# Altium PCB GO_CART_CONTROLLER-DESKTOP-L9L0IAD.PcbDoc
Units mm, origin at the board's own origin, x right, y up, seen from the top; angles counter-clockwise.
Board outline 64 x 53.7 mm, 2 copper layers (Top Layer, Bottom Layer), stack 1.569 mm thick; 93 components, 61 nets, 217 pads, 25 vias.
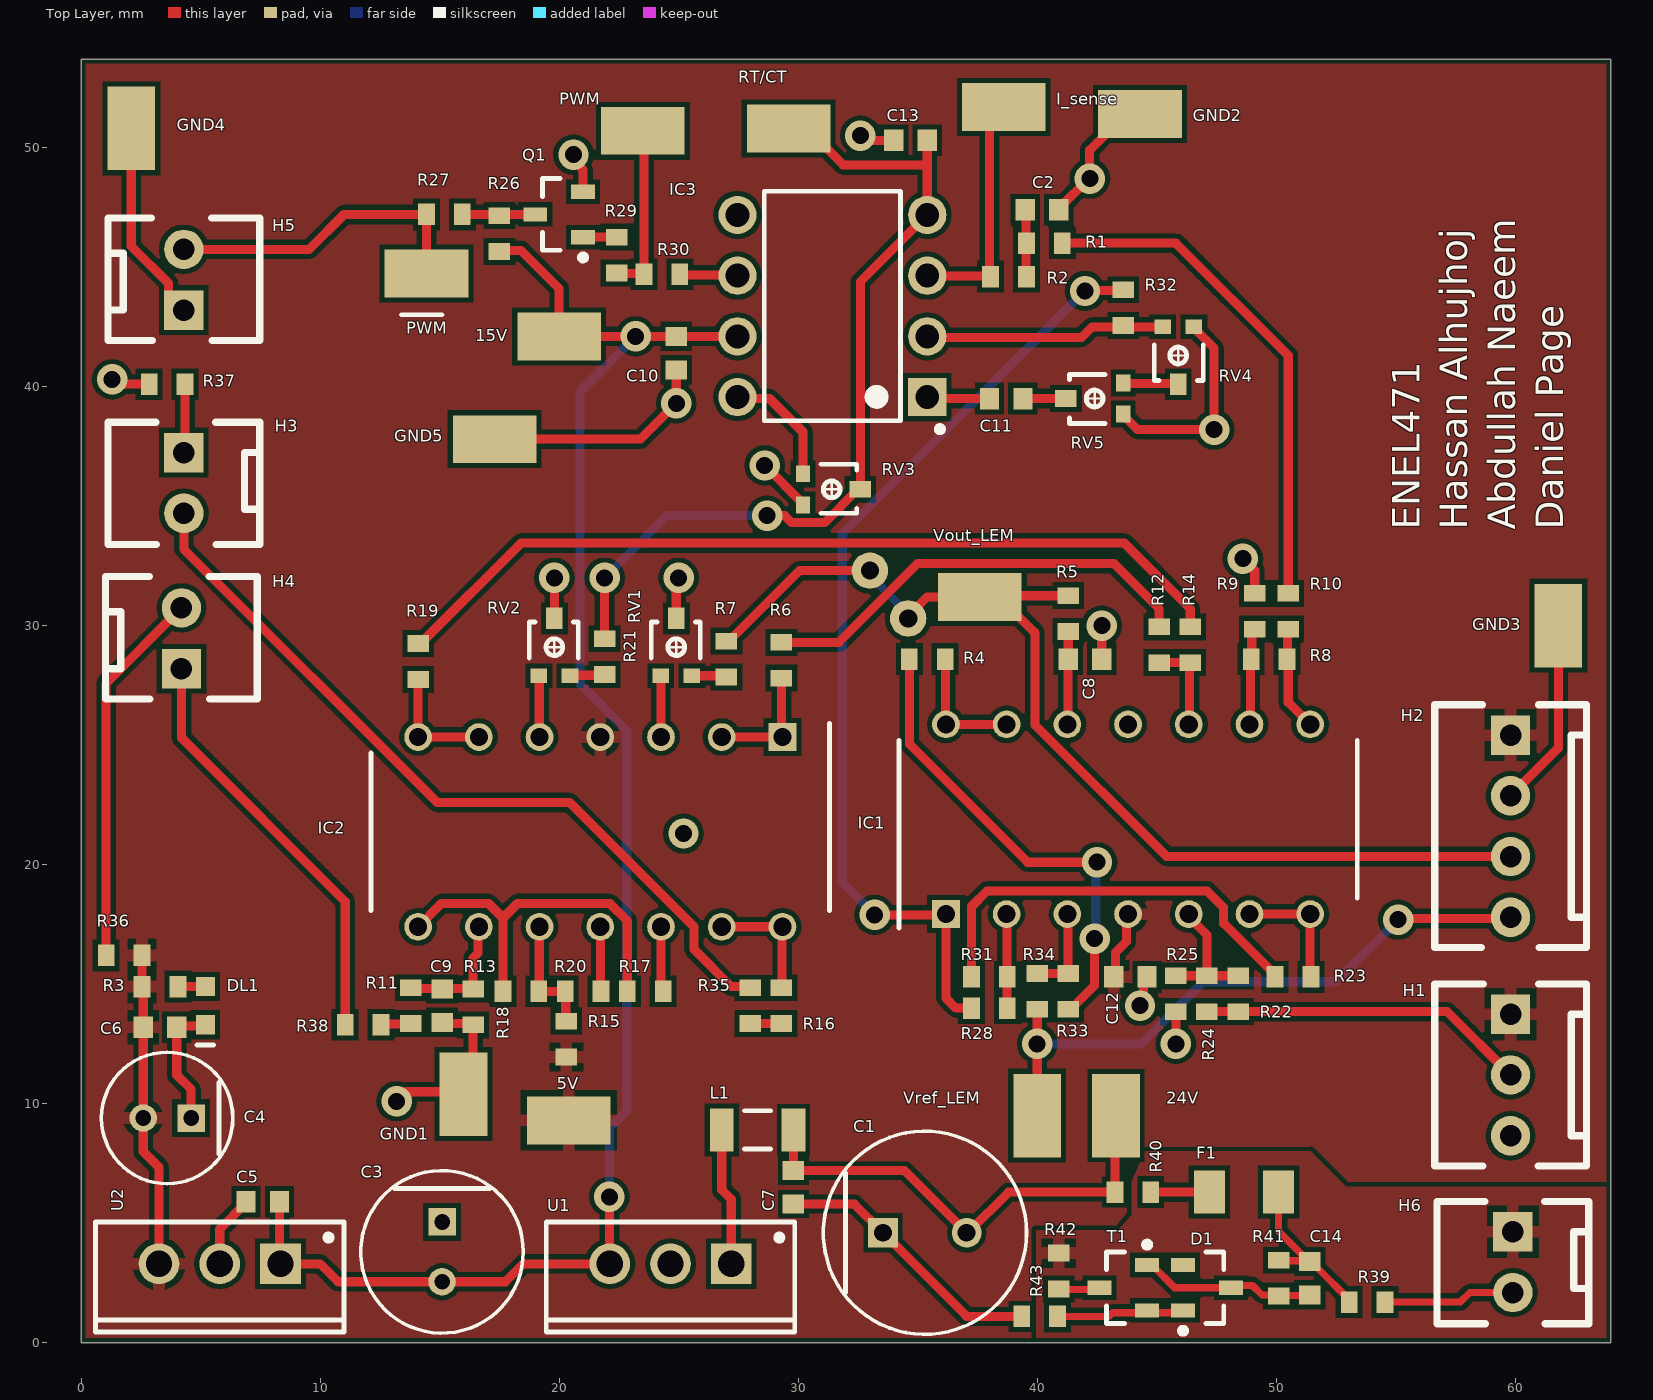
[diagram p0: Top Layer view]
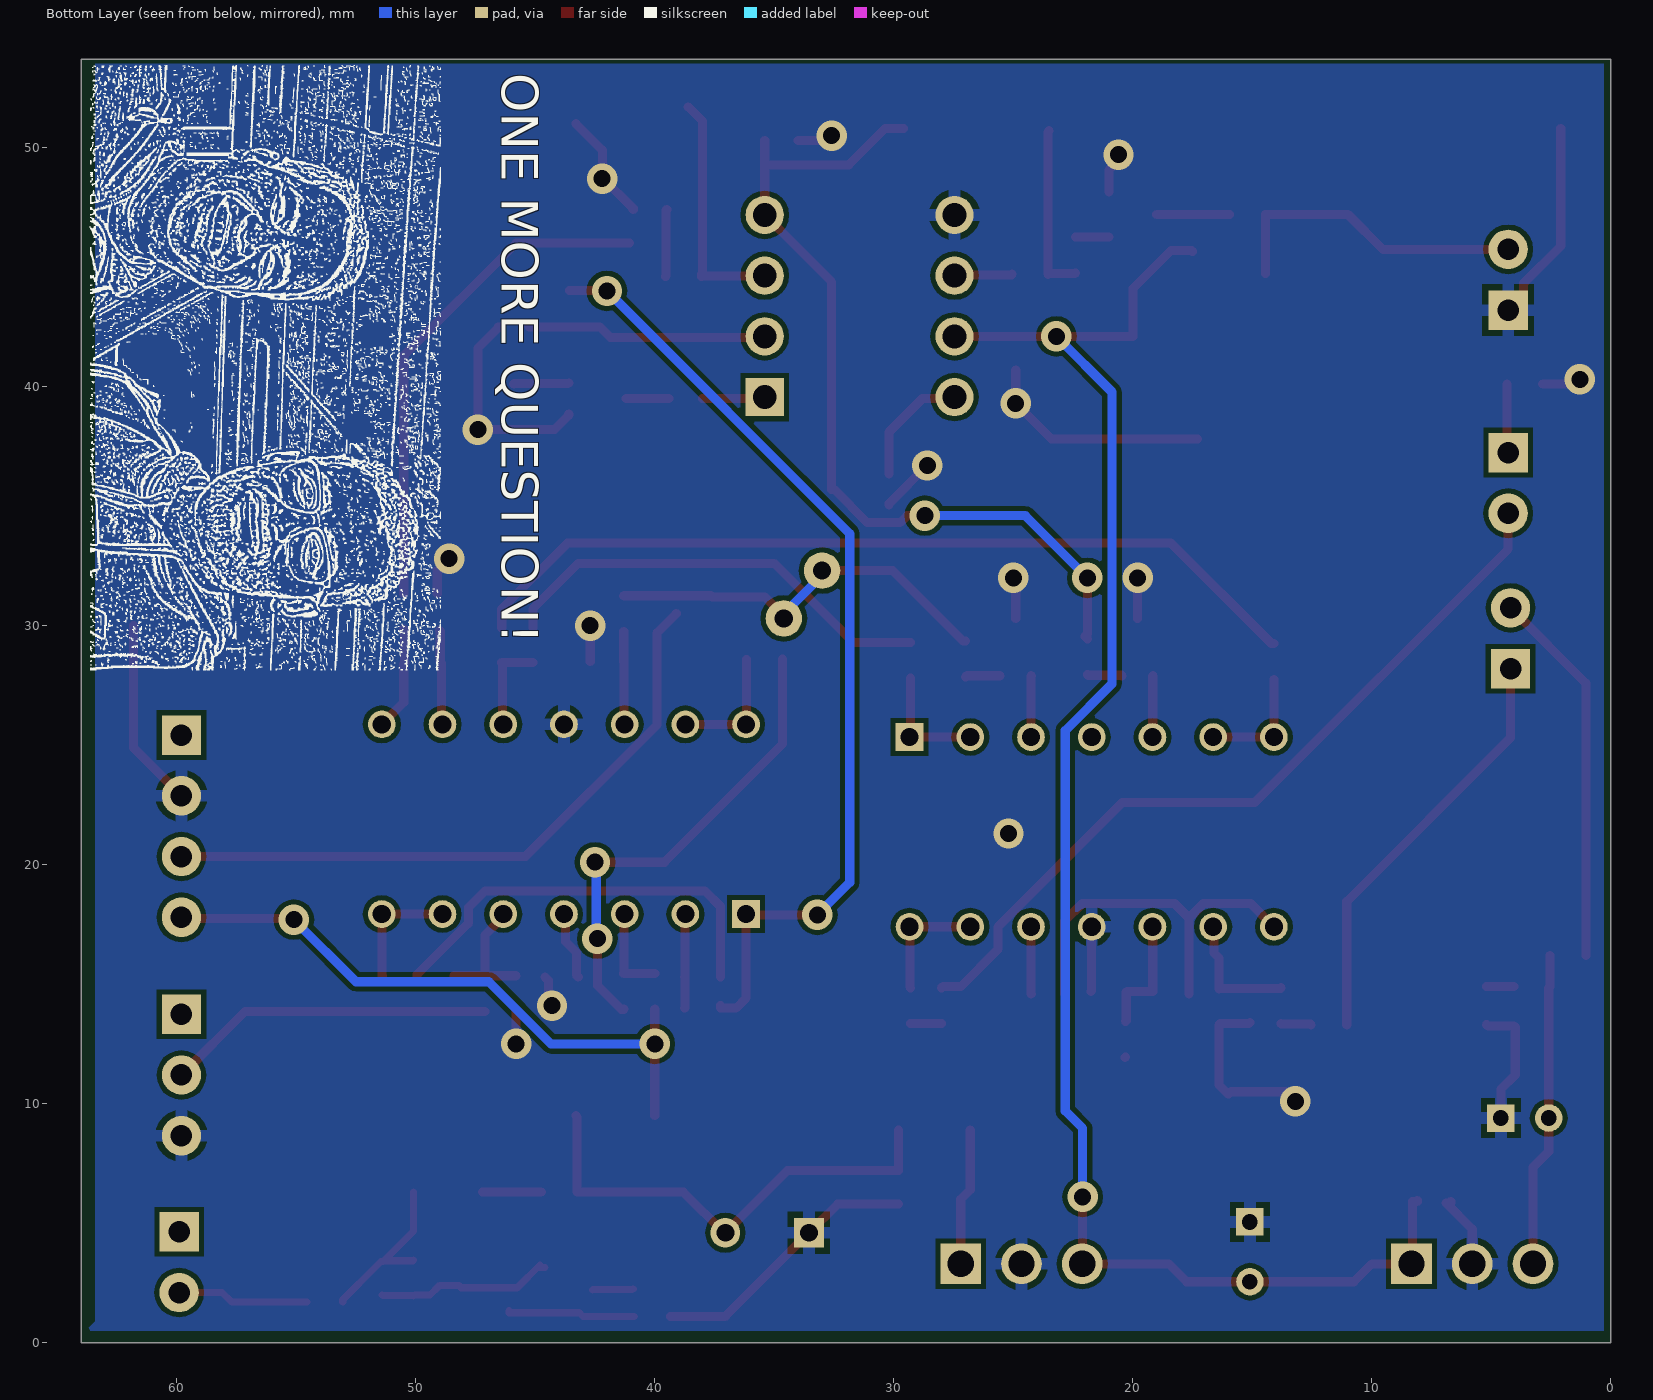
[diagram p1: Bottom Layer view, seen from below]

## Layer stack, top to bottom
Top Solder: solder mask 0.0254, SM-001, Dk 4
Top Layer: signal copper 0.035
Dielectric 1: core 1.4986, Core-043, Dk 4.3
Bottom Layer: signal copper 0.035
Bottom Solder: solder mask 0.0254, SM-001, Dk 4

## Board outline
0,53.7 64,53.7 64,0 0,0

## Design rules (kind name [scope] priority, off if disabled: settings)
BoardOutlineClearance [All] p1: gap=0.2 ignorepadtopadclearanceinfootprint=FALSE except(0.4: Arc-SplitBarrior Arc-SplitContinuation Track-SplitBarrior Track-SplitContinuation SMDPad-SplitBarrior SMDPad-SplitContinuation THPad-SplitBarrior THPad-SplitContinuation Via-SplitBarrior Via-SplitContinuation Fill-SplitBarrior Fill-SplitContinuation Poly-SplitBarrior Poly-SplitContinuation Region-SplitBarrior Region-SplitContinuation Text-SplitBarrior Text-SplitContinuation)
Clearance "Clearance Bottom Layer" [OnLayer('Bottom Layer')] p1: gap=0.203 ignorepadtopadclearanceinfootprint=TRUE except(0.254: Arc-Text Track-Text SMDPad-Text THPad-Text Via-Text Fill-Text Poly-Text Region-Text Text-Text)
Clearance "Clearance Top Layer" [OnLayer('Top Layer')] p2: gap=0.203 ignorepadtopadclearanceinfootprint=TRUE except(0.254: Arc-Text Track-Text SMDPad-Text THPad-Text Via-Text Fill-Text Poly-Text Region-Text Text-Text)
Clearance [All] p3: gap=0.2 ignorepadtopadclearanceinfootprint=FALSE except(0.089: Arc-Arc Arc-Track Arc-SMDPad Track-Track Track-SMDPad SMDPad-SMDPad; 0.127: Arc-Via Track-Via SMDPad-Via THPad-Via Via-Via; 0.254: Arc-Text Track-Text SMDPad-Text THPad-Text Via-Text Fill-Text Poly-Text Region-Text Text-Text)
HoleSize [All] p1: absolutevalues=TRUE maxlimit=6.3 minlimit=0.2 maxpercent=80.000 minpercent=20.000
MinimumAnnularRing [All] p1: minimumring=0.076
MinimumSolderMaskSliver [All] p1: minsoldermaskwidth=0.1
PolygonConnect PolygonConnect_1 [All] p1: thpad.connectstyle=Relief thpad.reliefconductorwidth=0.508 thpad.reliefentries=4 thpad.polygonreliefangle="90 Angle" thpad.airgapwidth=0.254 smdpad.connectstyle=Relief smdpad.reliefconductorwidth=0.508 smdpad.reliefentries=4 smdpad.polygonreliefangle="90 Angle" smdpad.airgapwidth=0.254 via.connectstyle=Direct via.reliefconductorwidth=0.508 via.reliefentries=4 via.polygonreliefangle="90 Angle" via.airgapwidth=0.254
RoutingCorners [All] p1: cornerstyle=Round minsetback=2.54 maxsetback=2.54
RoutingVias [All] p1: holewidth=0.5 width=1 viastyle="Through Hole" minholewidth=0.2 minwidth=0.45 maxholewidth=1 maxwidth=2
SilkToSilkClearance [All] p1: silktosilkclearance=0.1
SilkToSolderMaskClearance [IsPad] p1: minsilkscreentomaskgap=0.1 clearancetoexposedcopper=TRUE
SolderMaskExpansion [All] p1: expansion=0.102
Width [All] p1: maxlimit=2.54 minlimit=0.089 preferedwidth=0.381
25 further rules are at their usual default settings.

## Classes and differential pairs
component class main: C1 C2 C3 C4 C5 C6 C7 C8 C9 C10 C11 C12 C13 DL1 IC1 IC2 IC3 L1 Q1 Q3 R1 R2 R3 R4 R5 R6 R7 R8 R9 R10 R11 R12 R13 R14 R15 R16 R17 R18 R19 R20 R21 R22 R23 R24 R25 R26 R27 R28 R29 R30 R31 R32 R33 R34 RV1 RV2 RV3 RV4 RV5 U1 U2
component class Connectors&TestPoints: 5V 15V 24V C14 D1 F1 GND1 GND2 GND3 GND4 GND5 H1 H2 H3 H4 H5 H6 I_sense PWM R35 R36 R37 R38 R39 R40 R41 R42 R43 RT/CT T1 Vout_LEM Vref_LEM

## Components (designator, comment, footprint, x,y, rotation, side; value= is the part's Value field where it differs from the comment)
5V "TP" TP_1206 20.4,9.3 r180 top
15V "TP" TP_1206 20,42.1 r180 top
24V "TP" TP_1206 43.3,9.5 r90 top
C1 "100uF" FP-ESLGM-MFG 35.3,4.6 r0 top
C2 "1nF" CAPC1608L 40.2,47.4 r180 top
C3 "47uF" FP-ESLE3-MFG 15.1,3.8 r270 top value=10uF
C4 "1uF" FP-UPW1E220MDD-MFG 3.6,9.4 r180 top value=22uF
C5 "100nF" CAPC1608L 7.6,5.9 r180 top
C6 "100nF" CAPC1608L 3.3,13.2 r0 top
C7 "100nF" CAPC1608L 29.8,6.5 r270 top
C8 "1uF" CAPC1608L 42,28.6 r180 top
C9 "100nF" CAPC1608L 15.1,14.1 r270 top
C10 "100nF" CAPC1608L 24.9,41.4 r270 top
C11 "10uF" CAPC1608L 38.7,39.5 r0 top
C12 "100nF" CAPC1608L 43.9,15.3 r0 top
C13 "22nF" CAPC1608L 34.7,50.3 r180 top
C14 "15nF" CAPC1608L 51.4,2.7 r90 top
D1 "4V7" SOT23_L#1 47.1,2.3 r0 top
DL1 "Bright Green" WL-SMCW0603 5.2,13.3 r90 top
F1 "10A" RESC3216N 48.65,6.3 r180 top
GND1 "TP" TP_1206 16,10.4 r270 top
GND2 "TP" TP_1206 44.3,51.4 r0 top
GND3 "TP" TP_1206 61.8,30 r90 top
GND4 "TP" TP_1206 2.1,50.8 r90 top
GND5 "TP" TP_1206 17.3,37.8 r180 top
H1 "3 Pin Molex KK Hdr" MOLEX_KK_3_HDR 59.8,13.74 r270 top
H2 "4 Pin Molex KK Hdr" MOLEX_KK_4_HDR 59.8,25.42 r270 top
H3 "2 Pin Molex KK HDR" MOLEX_KK_2_HDR 4.3,37.24 r270 top
H4 "2 Pin Molex KK HDR" MOLEX_KK_2_HDR 4.2,28.2 r90 top
H5 "2 Pin Molex KK HDR" MOLEX_KK_2_HDR 4.3,43.2 r90 top
H6 "2 Pin Molex KK HDR" MOLEX_KK_2_HDR 59.9,4.64 r270 top
I_sense "TP" TP_1206 38.6,51.7 r0 top
IC1 "LMC6484IN" DIP794W56P254L1905H533Q14N 43.8,21.9 r90 top
IC2 "LMC6484IN" DIP794W56P254L1905H533Q14N 21.72,21.369 r270 top
IC3 "UC3843BNG" DIP794W56P254L959H533Q8B 31.43,43.37 r180 top
L1 "1A max, Idc 0.3R," INDC3216L 28.3,8.9 r180 top
PWM "TP" TP_1206 14.45,44.725 r180 top
PWM "TP" TP_1206 23.5,50.7 r0 top
Q1 "ZXM61N02FTA" SOT23_L#2 20,47.2 r180 top
R1 "150R" RESC1608L 40.3,46 r180 top
R2 "0R" RESC1608L 38.8,44.6 r180 top
R3 "1K8" RESC1608L 3.3,14.9 r0 top
R4 "0R" RESC1608L 35.4,28.6 r180 top
R5 "2K2" RESC1608L 41.3,30.5 r90 top
R6 "0R" RESC1608L 29.3,28.55 r90 top
R7 "100K" RESC1608L 27,28.6 r270 top
R8 "10K" RESC1608L 49.7,28.6 r0 top
R9 "10K" RESC1608L 49.1,30.6 r270 top
R10 "0R" RESC1608L 50.5,30.6 r90 top
R11 "100R" RESC1608L 13.8,14.1 r90 top
R12 "10K" RESC1608L 45.1,29.2 r270 top
R13 "100K" RESC1608L 16.4,14.05 r270 top
R14 "10K" RESC1608L 46.4,29.2 r270 top
R15 "10K" RESC1608L 20.3,12.7 r270 top
R16 "0R" RESC1608L 29.3,14.1 r270 top
R17 "0R" RESC1608L 23.6,14.7 r0 top
R18 "10K" RESC1608L 18.4,14.7 r180 top
R19 "0R" RESC1608L 14.1,28.5 r90 top
R20 "10K" RESC1608L 21,14.7 r180 top
R21 "6K8" RESC1608L 21.9,28.7 r270 top
R22 "120K" RESC1608L 48.4,14.6 r270 top
R23 "0R" RESC1608L 50.7,15.3 r180 top
R24 "120K" RESC1608L 47.1,14.6 r90 top
R25 "100K" RESC1608L 45.8,14.6 r90 top
R26 "10K" RESC1608L 17.5,46.4 r270 top
R27 "0R" RESC1608L 15.2,47.2 r180 top
R28 "10K" RESC1608L 38,14 r180 top
R29 "10R" RESC1608L 22.4,45.5 r90 top
R30 "0R" RESC1608L 24.3,44.7 r180 top
R31 "10K" RESC1608L 38,15.3 r0 top
R32 "0R" RESC1608L 43.6,43.3 r270 top
R33 "10K" RESC1608L 41.3,14.7 r90 top
R34 "10K" RESC1608L 40,14.7 r90 top
R35 "0R" RESC1608L 28,14.1 r90 top
R36 "0R" RESC1608L 1.8,16.2 r180 top
R37 "0R" RESC1608L 3.6,40.1 r0 top
R38 "0R" RESC1608L 11.8,13.3 r180 top
R39 "0R" RESC1608L 53.8,1.7 r180 top
R40 "0R" RESC1608L 44,6.3 r180 top
R41 "12K" RESC1608L 50.1,2.7 r90 top
R42 "0R" RESC1608L 40.9,3 r270 top
R43 "0R" RESC1608L 40.1,1.1 r180 top
RT/CT "TP" TP_1206 29.6,50.8 r180 top
RV1 "100K" PVZ2A 24.9,29.1 r0 top
RV2 "1K" PVZ2A 19.8,29.1 r0 top
RV3 "100K" PVZ2A 31.4,35.7 r270 top
RV4 "100K" PVZ2A 45.9,41.3 r180 top
RV5 "100K" PVZ2A 42.4,39.5 r90 top
T1 "BSH114,215" SOT23_L#1 43.6,2.3 r180 top
U1 "L7815CV" TO220 24.66,3.3 r180 top
U2 "L7805ACV" TO220 5.8,3.3 r180 top
Vout_LEM "TP" TP_1206 37.6,31.2 r180 top
Vref_LEM "TP" TP_1206 40,9.5 r90 top

## Footprints (in the part's own frame and the unit in brackets; to place one, negate y for a bottom-side part, rotate by r counter-clockwise, add the part's x,y. Pads: shape width x height; smd on the part's side, far side on the other; paste and mask are expansions set on the pad)
CAPC1608L [mm] "Chip Capacitor, Body 1.6x0.8mm, IPC High Density"
  rect 0.8x0.9 smd: 1(-0.7,0) 2(0.7,0)
  body extent -0.87,-0.48 0.87,0.48, height 0.85
DIP794W56P254L959H533Q8B [mm]
  rect 1.6x1.6 hole 1: 1(-3.97,3.81)
  round 1.6 hole 1: 2(-3.97,1.27) 3(-3.97,-1.27) 4(-3.97,-3.81) 5(3.97,-3.81) 6(3.97,-1.27) 7(3.97,1.27) 8(3.97,3.81)
  silkscreen extent -4.63,-4.8 2.85,5.27, body extent -4.11,-4.79 4.11,4.79, height 5.33
DIP794W56P254L1905H533Q14N [mm]
  rect 1.159x1.159 hole 0.759: 1(-3.969,7.62)
  round 1.159 hole 0.759: 2(-3.969,5.08) 3(-3.969,2.54) 4(-3.969,0) 5(-3.969,-2.54) 6(-3.969,-5.08) 7(-3.969,-7.62) 8(3.969,-7.62) 9(3.969,-5.08) 10(3.969,-2.54) 11(3.969,0) 12(3.969,2.54) 13(3.969,5.08) 14(3.969,7.62)
  silkscreen extent -4.55,-9.59 3.3,9.59, body extent -4.11,-9.53 4.11,9.53, height 5.33
FP-ESLE3-MFG [mm]
  rect 1.15x1.15 hole 0.65 paste-1000 mask+0: 1(-1.25,0)
  round 1.15 hole 0.65 paste-1000 mask+0: 2(1.25,0)
  silkscreen extent -3.4,-3.4 3.4,3.4, body extent -3.5,-3.5 3.5,3.5, height 0.25
FP-ESLGM-MFG [mm]
  rect 1.25x1.25 hole 0.75 paste-1000 mask+0: 1(-1.75,0)
  round 1.25 hole 0.75 paste-1000 mask+0: 2(1.75,0)
  silkscreen extent -4.25,-4.25 4.25,4.25, body extent -4.35,-4.35 4.35,4.35, height 0.25
FP-UPW1E220MDD-MFG [mm]
  rect 1.15x1.15 hole 0.65 paste-1000 mask+0: 1(-1,0)
  round 1.15 hole 0.65 paste-1000 mask+0: 2(1,0)
  silkscreen extent -2.75,-2.75 2.75,2.75, body extent -2.85,-2.85 2.85,2.85, height 0.25
INDC3216L [mm] "Chip Inductor, Body 3.2x1.6mm, IPC High Density"
  rect 1x1.8 smd: 1(-1.5,0) 2(1.5,0)
  silkscreen extent -0.55,-0.8 0.55,0.8, body extent -1.75,-0.95 1.75,0.95, height 1.9
MOLEX_KK_2_HDR [mil] "MOLEX_KK_2_HDR"
  rect 65x65 hole 35.43: 1(0,0)
  round 65 hole 35.43: 2(100,0)
  silkscreen extent -50,-125 152,125, body extent -44,-121 146,119, height 630
MOLEX_KK_3_HDR [mil] "MOLEX_KK_3_HDR"
  rect 65x65 hole 35.43: 1(0,0)
  round 65 hole 35.43: 2(100,0) 3(200,0)
  silkscreen extent -50,-125 250,125, body extent -44,-120 244,119, height 630
MOLEX_KK_4_HDR [mil] "MOLEX_KK_4_HDR"
  rect 65x65 hole 35.43: 1(0,0)
  round 65 hole 35.43: 2(100,0) 3(200,0) 4(300,0)
  silkscreen extent -50,-125 350,125, body extent -44,-119 343,119, height 630
PVZ2A [mm] "MuRata Trimmer Pots"
  rect 0.7x0.6 smd: 1(-0.65,-1.2) 3(0.65,-1.2)
  rect 0.7x0.9 smd: 2(0,1.2)
  silkscreen extent -1.05,-0.45 1,1.05, body extent -0.95,-0.82 0.92,0.96, height 1.6
RESC1608L [mm] "Chip Resistor, Body 1.6x0.8mm, IPC High Density"
  rect 0.7x0.9 smd: 1(-0.75,0) 2(0.75,0)
  body extent -0.85,-0.48 0.85,0.48, height 0.9
RESC3216N [mm] "Chip Resistor, Body 3.2x1.6mm, IPC Medium Density"
  rect 1.3x1.8 smd: 1(-1.45,0) 2(1.45,0)
  body extent -1.68,-0.87 1.68,0.87, height 0.71
SOT23_L#1 [mm] "SOT23, 3-Leads, Body 2.9x1.3mm, Pitch 0.95mm, Lead Span 2.3mm, IPC High Density"
  rect 1x0.6 smd: 1(-1,-0.95) 2(-1,0.95) 3(1,0)
  silkscreen extent -1.12,-1.92 0.7,1.5, body extent -0.7,-1.5 0.7,1.5, height 1.1
SOT23_L#2 [mm] "SOT23, 3-Leads, Body 2.9x1.3mm, Pitch 0.95mm, Lead Span 2.3mm, IPC High Density"
  rect 1x0.6 smd: 1(-1,0.95) 2(-1,-0.95) 3(1,0)
  silkscreen extent -1.13,-1.5 0.7,1.92, body extent -0.7,-1.5 0.7,1.5, height 1.1
TO220 [mm] "TO, Thru-Hole, Vertical, Heatsink Mounted; 3 In-Line Leads; Pitch 2.54 mm"
  rect 1.7x1.7 hole 1.1: 1(-2.54,0)
  round 1.7 hole 1.1: 2(0,0) 3(2.54,0)
  silkscreen extent -5.2,-1.75 5.2,2.85, body extent -5.25,-1.8 5.25,2.9, height 19.7
TP_1206 [mm] "Test Point Pad"
  rect 3.5x2 smd: 1(0,0)
  body extent -1.62,-0.85 1.63,0.8, height 2
WL-SMCW0603 [mm] "2.4 x 0.8 x 0.7mm LED"
  rect 0.8x0.8 smd: 1(0,0) 2(1.6,0)
  silkscreen extent -0.85,-0.35 -0.85,0.35

## Part data
5V 15V 24V GND1 GND2 GND3 GND4 GND5 I_sense PWM PWM RT/CT Vout_LEM Vref_LEM: library part TP_1206, "Test-Point 3.3x1.6x2.1mm SMD", Manufacturer="Harwin Inc", Manufacturer Part Number=S1751-46R, Supplier Part Number 1=952-1478-2-ND, Mounting Type="Surface Mount", Storage Location=ProtoPlace, Supplier="ECE Dept", Supplier 1=Digi-Key, Supplier 2=Farnell, Supplier Part Number 2=1826282, Type="PC Test Point"
C1: library part CMP-03015-000005-1, "CAP ALUM 100UF 20% 50V THRU HOLE. Part Number: ESL107M050AGMAA. Dia: 8mm.", Leakage Current=50uA, Manufacturer=KEMET, Manufacturer Part Number=ESL107M050AGMAA, Package=ESLGM, Ripple Current=725mA, Temperature="-40°C to +105°C", Temperature Range High=+105°C, Temperature Range Low=-40°C, Tolerance=20%, Voltage Rating=50V, Automotive=No, Capacitance=100uF, Category=Cap, ComponentLink2Description=Datasheet, ComponentLink2URL=https://content.kemet.com/datasheets/KEM_A4074_ESL.pdf, Device Class L1="Passive Components", Device Class L2=Capacitors, Device Class L3="Aluminum Electrolytic Capacitors", Digikey Description="CAP ALUM 100UF 20% 50V THRU HOLE", Dissipation Factor=10%, Esr=0.12O, Height=13.5mm, Lead Free=Yes, Life=10000Hours, Material=Aluminum, Octopart=https://octopart.com/esl107m050agmaa-kemet-84758890, RoHS=TRUE
C2: library part CC_1nF_0603, "CAP CER 1nF X7R +-10% 50V 0603", Code_IPC="1608 [0603]", PackageReference=0603, Storage Location="PCB Assembly WS", Supplier="ECE Dept"
C3: library part CMP-03015-000004-1, "CAP ALUM 10UF 20% 100V THRU HOLE. Part Number: ESL106M100AE3AA. Dia: 6.3mm.", Capacitance=10uF, Leakage Current=10uA, Manufacturer=kemet, Manufacturer Part Number=ESL106M100AE3AA, Package=ESLE3, Ripple Current=280mA, Temperature="-40°C to +105°C", Temperature Range High=+105°C, Temperature Range Low=-40°C, Tolerance=20%, Voltage Rating=100V, Automotive=No, Category=Cap, ComponentLink2Description=Datasheet, ComponentLink2URL=https://content.kemet.com/datasheets/KEM_A4074_ESL.pdf, Device Class L1="Passive Components", Device Class L2=Capacitors, Device Class L3="Aluminum Electrolytic Capacitors", Digikey Description="CAP ALUM 10UF 20% 100V THRU HOLE", Dissipation Factor=9%, Esr=0.68O, Height=12.5mm, Lead Free=Yes, Life=10000Hours, Material=Aluminum, Mouser Description="Cap, 10UF, 100V, Alu Elec, Radial", Octopart=https://octopart.com/esl106m100ae3aa-kemet-84758885, RoHS=TRUE
C4: library part CMP-12462-000010-1, "CAP ALUM 22UF 20% 25V RADIAL. Part Number: UPW1E220MDD. Dia: 5mm.", Capacitance=22uF, Leakage Current=16.5uA, Manufacturer=Nichicon, Manufacturer Part Number=UPW1E220MDD, Package=0, Ripple Current=180mA, Temperature="-55°C to +105°C", Temperature Range High=+105°C, Temperature Range Low=-55°C, Tolerance=20%, Voltage Rating=25V, Automotive=Yes, Automotive Grade="Grade 2", Category=Cap, ComponentLink2Description=Datasheet, ComponentLink2URL=https://products.nichicon.co.jp/en/pdf/XJA043/e-upw.pdf, Device Class L1="Passive Components", Device Class L2=Capacitors, Device Class L3="Aluminum Electrolytic Capacitors", Digikey Description="CAP ALUM 22UF 20% 25V RADIAL", Dissipation Factor=14%, Height=12.5mm, Lead Free=Yes, Life=2000Hours, Material=Aluminum, Octopart=https://octopart.com/upw1e220mdd-nichicon-202818, RoHS=TRUE
C5 C6 C7 C9 C10 C12: library part CC_100nF_0603, "CAP CER 100nF X7R +-10% 50V 0603", Code_IPC="1608 [0603]", PackageReference=0603, Storage Location="PCB Assembly WS", Supplier="ECE Dept"
C8: library part CC_1uF_0603, "CAP CER 1uF Y5V -20% +80% 16V 0603", Max Voltage=16V, Code_IPC="1608 [0603]", PackageReference=0603, Storage Location="PCB Assembly WS", Supplier="ECE Dept"
C11: library part CC_10uF_0603, "CAP CER 10UF X5R +-20% 6V3 0603", Voltage - Rated=6.3V, Storage Location="PCB Assembly WS", Supplier="ECE Dept"
C13: library part CC_22nF_0603, "CAP CER 22nF X7R +-10% 50V 0603", Code_IPC="1608 [0603]", PackageReference=0603, Storage Location="PCB Assembly WS", Supplier="ECE Dept"
C14: library part CC_15nF_0603, "CAP CER 15nF X7R +-10% 50V 0603", Code_IPC="1608 [0603]", PackageReference=0603, Storage Location="PCB Assembly WS", Supplier="ECE Dept"
D1: library part DZ_4.7V, "BZX84C4V7LT1G - DIODE, ZENER, 4.7V, 225MW, SOT23", Breakdown Voltage Max=5, Breakover Voltage Min=4.7, Diode Case Style=SOT-23, Manufacturer="ON SEMICONDUCTOR", Manufacturer Part Number=BZX84C4V7LT1G, Power Dissipation Pd=225, Supplier Part Number 1=1459051, Supplier 1=Farnell, Supplier 2=Digi-Key, Supplier Part Number 2=BZX84C4V7LT1GOSCT-ND
DL1: library part DL_150060VS75000, "LED Bright Green 40mcd 0603 SMD", Forward Current If=30, Forward Voltage=2, Manufacturer="WURTH ELEKTRONIK", Manufacturer Part Number=150060VS75000, Supplier Part Number 1=2322073, LED Colour="Bright Green", LED Mounting=SMD, Luminous Intensity=40, Storage Location="PCB Assembly WS", Supplier="ECE Dept", Supplier 1=Farnell, Viewing Angle=140°, Wavelength Typ=570
F1: library part FS_Fuse_10A, "Fuse 10A Fast Acting 1206 SMD", Fuse Case Style=1206, Fuse Current=10, Manufacturer="Eaton Bussmann", Manufacturer Part Number=TR/3216FF10-R, Supplier Part Number 1=TR/3216FF10-R-ND, Voltage Rating (AC)=32V, Voltage Rating (DC)=24V, Blow Characteristic="Fast Acting", Current Rating=10A, Device Marking=10, Fuse Type Blowing Characteristic="Fast Acting", Storage Location="PCB Assembly WS", Supplier="ECE Dept", Supplier 1=Digi-Key, Supplier 2=Farnell, Supplier Part Number 2=1717117
H1: library part JA_MOLEX_KK_3POS, "CONN HEADER 3POS 2.54mm VERT_Thru Hole", Manufacturer=Molex, Manufacturer PN=22-23-2031, Supplier Part Number 1=9731156, Storage Location="ECE Dept Store", Supplier="ECE Dept", Supplier 1=Farnell
H2: library part JA_MOLEX_KK_4POS, "CONN HEADER 4POS 2.54mm VERT_Thru Hole", Manufacturer=Molex, Manufacturer PN=22-23-2041, Supplier Part Number 1=9731164, Storage Location="ECE Dept Store", Supplier="ECE Dept", Supplier 1=Farnell
H3 H4 H5 H6: library part JA_MOLEX_KK_2POS, "CONN HEADER 2POS 2.54mm VERT_Thru Hole", Supplier Part Number 1=1462926, Storage Location="ECE Dept Store", Supplier="ECE Dept", Supplier 1=Farnell
IC1 IC2: "Integrated Circuit", Manufacturer_Name="Texas Instruments", Mouser Part Number=926-LMC6484IN, Arrow Part Number=LMC6484IN, Datasheet Link=http://www.ti.com/lit/gpn/lmc6484, Height=5.334mm, Manufacturer_Part_Number=LMC6484IN, Mouser Price/Stock=https://www.mouser.com/Search/Refine.aspx?Keyword=926-LMC6484IN
IC3: "Integrated Circuit", Manufacturer_Name="ON Semiconductor", Mouser Part Number=863-UC3843BNG, Arrow Part Number=UC3843BNG, Arrow Price/Stock=https://www.arrow.com/en/products/uc3843bng/on-semiconductor, Datasheet Link=http://www.onsemi.com/pub/Collateral/UC3842B-D.PDF, Height=5.33mm, Manufacturer_Part_Number=UC3843BNG, Mouser Price/Stock=https://www.mouser.co.uk/ProductDetail/ON-Semiconductor/UC3843BNG?qs=xZq1yRCsb1c8CkSt0UbHMA%3D%3D
L1: library part IN_Ferrite-Bead, "Ferrite Bead, Rdc 0.3R, Z100MHZ 600R, Imax 1A, SMD 1206", DC Current Rating=1, DC Resistance Max=0.08, Ferrite Case Style="1206 ^3216 Metric]", Frequency Range="50MHz to 1", Impedance Tolerance="± 25%", Manufacturer=FAIR-RITE, Manufacturer Part Number=2512066017Y1, Supplier Part Number 1=1612060, Ferrite Mounting=SMD, Impedance=600, Manufacturer PN=2512066017Y1, Storage Location="PCB Assembly WS", Supplier="ECE Dept", Supplier 1=Farnell
Q1: library part TM_ZXM61N02FTA, "MOSFET N-CH 20V 1.7A SOT23-3", Current - Continuous Drain (Id) @ 25° C=1.7A, Drain to Source Voltage (Vdss)=20V, Input Capacitance (Ciss) @ Vds="160pF @ 15V", Manufacturer="Diodes Inc", Package / Case="TO-236-3, SC-59, SOT-23-3", Power - Max=625mW, Supplier Part Number 1=9525270, FET Type="MOSFET N-Channel, Metal Oxide", Gate Charge (Qg) @ Vgs="3.4nC @ 4.5V", Manufacturer Part Number=ZXM61N02FTA, Pricing="1=0.79, 10=0.658, 25=0.5772, 100=0.4939, 250=0.42836, 500=0.36284, 1000=0.27972 (NZD)", Rds On (Max) @ Id, Vgs="180 mOhm @ 930mA, 4.5V", Storage Location="PCB Assembly WS", Supplier="ECE Dept", Supplier 1=Farnell, Supplier 2=Digi-Key, Supplier Part Number 2=ZXM61N02FCT-ND, Vgs(th) (Max) @ Id="700mV @ 250µA"
R1: library part RS_150R, "RES 150 OHM 1/10W 5% 0603 SMD", Storage Location="PCB Assembly WS", Supplier="ECE Dept"
R2 R4 R6 R10 R16 R17 R19 R23 R27 R30 R32 R35 R36 R37 R38 R39 R40 R42 R43: library part RS_0R0, "RES 0.0 OHM 1/10W 5% 0603 SMD", Storage Location="PCB Assembly WS", Supplier="ECE Dept"
R3: library part RS_1K8, "RES 1.8K OHM 1/10W 5% 0603 SMD", Storage Location="PCB Assembly WS", Supplier="ECE Dept"
R5: library part RS_2K2, "RES 2.2K OHM 1/10W 5% 0603 SMD", Storage Location="PCB Assembly WS", Supplier="ECE Dept"
R7 R13 R25: library part RS_100K, "RES 100K OHM 1/10W 5% 0603 SMD", Storage Location="PCB Assembly WS", Supplier="ECE Dept"
R8 R9 R12 R14 R15 R18 R20 R26 R28 R31 R33 R34: library part RS_10K, "RES 10.0K OHM 1/10W 5% 0603 SMD", Storage Location="PCB Assembly WS", Supplier="ECE Dept"
R11: library part RS_100R, "RES 100 OHM 1/10W 5% 0603 SMD", Storage Location="PCB Assembly WS", Supplier="ECE Dept"
R21: library part RS_6K8, "RES 6k8 OHM 1/10W 5% 0603 SMD", Storage Location="PCB Assembly WS", Supplier="ECE Dept"
R22 R24: library part RS_120K, "RES 120K OHM 1/10W 5% 0603 SMD", Storage Location="PCB Assembly WS", Supplier="ECE Dept"
R29: library part RS_10R, "RES 10 OHM 1/10W 5% 0603 SMD", Storage Location="PCB Assembly WS", Supplier="ECE Dept"
R41: library part RS_12K, "RES 12K OHM 1/10W 5% 0603 SMD", Storage Location="PCB Assembly WS", Supplier="ECE Dept"
RV1 RV3 RV4 RV5: library part RM_100K, "Trim Pot SMD 100K Murata PVZ2 Series SMD", Manufacturer=MURATA, Manufacturer Part Number=PVZ2A104C04B00, Power Rating=50, Resistor Element Material="Metal Foil", Supplier Part Number 1=1771728, Adjustment Type=Top, External Depth=2.7, External Length / Height=0.85, External Width=2.1, No. of Turns=1, Potentiometer Mounting=SMD, Series=PVZ2, Storage Location="PCB Assembly WS", Supplier="ECE Dept", Supplier 1=Farnell
RV2: library part RM_1K, "Trim Pot SMD 1K Murata PVZ2 Series SMD", Manufacturer=MURATA, Manufacturer Part Number=PVZ2A102C04B00, Power Rating=50, Resistor Element Material="Metal Foil", Supplier Part Number 1=1771721, External Depth=2.7, External Length / Height=0.85, External Width=2.1, No. of Turns=1, Potentiometer Mounting=SMD, Storage Location="PCB Assembly WS", Supplier="ECE Dept", Supplier 1=Farnell
T1: library part TM_BSH114, "MOSFET N-CH 100V 0.85A SOT-23", Continuous Drain Current Id=500, Current Id Max=850, Drain Source Voltage Vds=100, Power Dissipation Pd=830, Supplier Part Number 1=1758071RL, Transistor Case Style=SOT-23, Voltage Vds Typ=130, Voltage Vgs Max=3, Voltage Vgs Rds on Measurement=10, Manufacturer Part Number=BSH114,215, Supplier 1=Farnell, Transistor Type=Enhancement
U1: library part CMP-0244-00422-1, "Positive Voltage Regulator, 15V, 3-Pin TO-220", ComponentLink1Description="Manufacturer URL", ComponentLink1URL=http://www.st.com, ComponentLink2Description=Datasheet, ComponentLink2URL=http://www.st.com/internet/com/TECHNICAL_RESOURCES/TECHNICAL_LITERATURE/DATASHEET/CD00000444.pdf, ComponentLink3Description="Package Specification", ComponentLink3URL=http://www.st.com/internet/com/TECHNICAL_RESOURCES/TECHNICAL_LITERATURE/PACKAGE_INFORMATION/CD00004649.pdf, DatasheetVersion=16/11/2011, PackageDescription="TO, Thru-Hole, Vertical, Heatsink Mounted; 3 In-Line Leads; Pitch 2.54 mm", PackageReference=TO220, PackageVersion=ver3.0
U2: library part CMP-0244-00484-1, "Positive Voltage Regulator, 5V, 3-Pin TO-220", ComponentLink1Description="Manufacturer URL", ComponentLink1URL=http://www.st.com, ComponentLink2Description=Datasheet, ComponentLink2URL=http://www.st.com/internet/com/TECHNICAL_RESOURCES/TECHNICAL_LITERATURE/DATASHEET/CD00000444.pdf, ComponentLink3Description="Package Specification", ComponentLink3URL=http://www.st.com/internet/com/TECHNICAL_RESOURCES/TECHNICAL_LITERATURE/PACKAGE_INFORMATION/CD00004649.pdf, DatasheetVersion=16/11/2011, PackageDescription="TO, Thru-Hole, Vertical, Heatsink Mounted; 3 In-Line Leads; Pitch 2.54 mm", PackageReference=TO220, PackageVersion=ver3.0

## Free pads (board coordinates)
  round 1.524 hole 0.762: 4(33,32.3) 5(34.6,30.3)

## Via types
v1: diameter 1.27, hole 0.711, Top Layer to Bottom Layer, 23 vias
v2: diameter 1.27/1.27 (per signal layer), hole 0.711, Top Layer to Bottom Layer, 2 vias

## Nets (pads, with @x,y where several pads share a name; then routed paths per layer and width w, separated by ;. In a path a pad name is that pad's centre, name@x,y a point inside that pad or via, vN(x,y) a via of type N, cw(c..) or ccw(c..) an arc to the next point about the centre after c; other vN are vias at no path point)
5V: 5V.1 C4.2 C6.1 C12.1 H1.1 H2.1 IC1.4 IC2.4 R3.1 R15.2 R36.1 U2.3 | length 16.3
  Top Layer w0.381: R36.1 R3.1 2.6,14.85 C6.1 C4.2 2.6,8 3.26,7.34 U2.3 ; R15.2 R15.2@20.325,11.925 ; C12.1 43.272,15.372 43.272,16.322 43.73,16.78 43.73,17.861 IC1.4 IC1.4@43.7,17.831
15V: 15V.1 C3.2 C5.1 C10.1 IC3.7 R26.2 U1.3 U2.1 | length 71.1
  Top Layer w0.381: U2.1@8.1,3.32 8.34,3.08 U2.1 10,3.3 10.75,2.55 C3.2 17.75,2.55 18.5,3.3 U1.3 22.11,3.31 22.11,6.09 v1(22.1,6.1) ; C5.1@8.1,5.9 C5.1@8.1,5.95 ; U2.1@8.3,3.32 C5.1 ; R26.2 17.55,45.7 18.4,45.7 20,44.1 15V.1 v1(23.2,42.1) C10.1 IC3.7
  Bottom Layer w0.381: v1(22.1,6.1) 22.1,8.969 22.829,9.698 22.829,25.606 20.871,27.563 20.871,39.771 v1(23.2,42.1)
24V: 24V.1 C1.2 C7.1 L1.1 R40.2 | length 20.2
  Top Layer w0.381: L1.1 C7.1 34.45,7.2 C1.2 37.1,4.6 38.8,6.3 R40.2 43.25,9.45 24V.1
24V_neg: H6.1 R42.1
24V_pos: H6.2 R39.1 | length 5.5
  Top Layer w0.3: R39.1 57.7,1.7 58.1,2.1 H6.2
Acc_pot: H1.2 R22.2 R24.1 | length 13.8
  Top Layer w0.381: R24.1 R22.2 57.15,13.85 H1.2
BRAKE_SW: R11.1 R38.1 | length 1.3
  Top Layer w0.381: R38.1 12.575,13.325 13.775,13.325 R11.1
Error_OpAmp_OUT: IC3.2 R32.2 RV4.3 | length 10.1
  Top Layer w0.381: IC3.2 35.45,42.05 38.1,42.05 41.85,42.05 42.3,42.5 RV4.3
GND: C1.1 C2.1 C3.1 C4.1 C5.2 C6.2 C7.2 C8.1 C9.2 C10.2 C12.2 C13.2 DL1.1 GND1.1 GND2.1 GND3.1 GND4.1 GND5.1 H1.3 H2.2 H5.1 IC1.11 IC2.11 IC3.5 Q1.2 R9.1 R13.2 R20.1 R25.1 R37.1 R43.2 RV1.2 RV2.2 RV3.3 RV4.1 RV5.1 U1.2 U2.2 | length 86.8
  Top Layer w0.381: v1(1.3,40.3) 1.5,40.1 R37.1 ; GND4.1 2.1,45.876 3.665,44.311 3.665,43.495 H5.1@4.3,42.86 ; C4.1 4.6,10.6 4,11.2 C6.2 4.05,13.25 5.15,13.25 DL1.1 ; U2.2@5.5,3.34 5.8,3.34 5.8,4.75 C5.2@6.9,5.85 ; C5.2@6.7,5.85 C5.2@6.7,5.9 ; v1(13.2,10.1) 13.6,10.5 15.9,10.5 GND1.1 16.4,10.8 R13.2 16.35,13.35 15.15,13.35 C9.2 ; GND5.1 23.4,37.8 v1(24.9,39.3) C10.2 ; RV2.2 v1(19.8,32) ; v1(20.6,49.7) 20.6,49.459 21,49.059 Q1.2 ; IC2.11@21.73,17.41 IC2.11 21.735,17.385 21.735,14.715 R20.1 ; RV1.2 24.9,31.9 v1(25,32) ; IC3.5@27.23,47.31 IC3.5@27.235,47.305 ; v1(28.6,36.7) 30.2,35.1 RV3.3 ; C7.2 32.35,5.8 C1.1 37.05,1.1 R43.2 ; v1(32.6,50.5) 32.8,50.3 C13.2 ; C2.1 40.9,47.45 v1@42.193,48.744 ; v1(42.2,48.7) 42.193,48.707 v1@42.193,48.744 ; v1@42.2,48.8 v1@42.4,49 ; C8.1@42.7,28.5 v1(42.7,30) ; GND2.1@43.3,51 42.193,49.893 v1@42.193,48.744 ; RV5.1 43.6,38.8 44.2,38.2 v1(47.4,38.2) 47.4,41.6 46.5,42.5 RV4.1 ; v2(44.3,14.1) 44.45,14.25 44.45,15.15 C12.2 ; v2(45.8,12.5) R25.1 ; v1(48.6,32.8) 49.1,32.3 R9.1 ; H2.2 61.8,24.88 GND3.1
  other v1: 25.2,21.3
I_sense: I_sense.1 IC3.3 R2.2 | length 10
  Top Layer w0.381: IC3.3 35.42,44.62 38.03,44.62 R2.2 R2.2@38.05,44.7 ; R2.2@38,44.7 38,51.1 I_sense.1
LPF1_OUT: R4.2 R33.1 | length 20.2
  Top Layer w0.381: R4.2 34.65,25.05 39.6,20.1 v1(42.5,20.1) ; R33.1 41.4,13.95 42.4,14.95 v1(42.4,16.9)
  Bottom Layer w0.381: v1(42.4,16.9) 42.45,16.95 42.45,20.05 v1(42.5,20.1)
LPF2_IN: R1.1 R10.2 | length 21.3
  Top Layer w0.381: R1.1 45.8,46 50.5,41.3 R10.2
NetC2_2: C2.2 R1.2 R2.1 | length 2.8
  Top Layer w0.381: C2.2 39.525,47.375 39.525,46 39.525,44.625 R2.1
NetC8_2: C8.2 IC1.12 R5.1 | length 3.9
  Top Layer w0.381: IC1.12 41.28,25.889 41.28,28.48 41.3,28.5 R5.1
NetC9_1: C9.1 IC2.9 R11.2 R13.1 | length 5.3
  Top Layer w0.381: R11.2 13.825,14.825 16.375,14.825 R13.1 16.4,16.1 16.6,16.3 16.6,17.36 IC2.9
NetC11_1: C11.1 IC3.1 | length 2.6
  Top Layer w0.381: IC3.1 35.46,39.5 C11.1
NetC11_2: C11.2 RV5.2 | length 1.8
  Top Layer w0.381: C11.2 RV5.2
NetC14_1: C14.1 D1.3 R41.1 T1.1 | length 7.4
  Top Layer w0.3: T1.1@44.6,3.15 T1.1@44.8,3.15 ; T1.1@44.8,3.25 45.75,2.3 D1.3 48.2,2.4 49,2.4 49.4,2 50.05,2 R41.1 50.125,1.975 51.375,1.975 C14.1
NetC14_2: C14.2 F1.1 R39.2 R41.2 | length 7.1
  Top Layer w0.3: R41.2 50.125,3.425 C14.2@51.325,3.425 ; F1.1 50.1,4.65 C14.2@51.325,3.425 ; R39.2 53.05,1.8 51.66,3.19 51.45,3.4 C14.2 51.35,3.4 C14.2@51.325,3.425
NetD1_1: D1.1 R43.1 T1.2 | length 5.4
  Top Layer w0.3: R43.1 43,1.1 43.15,1.25 44.6,1.25 46.1,1.25 D1.1
NetDL1_2: DL1.2 R3.2 | length 1.1
  Top Layer w0.381: R3.2 DL1.2
NetF1_2: F1.2 R40.1 | length 2.5
  Top Layer w0.381: R40.1 F1.2
NetH3_1: H3.1 R37.2 | length 2.9
  Top Layer w0.381: R37.2 4.35,37.29 H3.1@4.4,37.24
NetH3_2: H3.2 R35.2 | length 33.3
  Top Layer w0.381: H3.2 4.3,33.2 14.9,22.6 20.436,22.6 25.639,17.397 25.639,16.461 27.2,14.9 27.95,14.9 R35.2
NetH4_1: H4.1 R38.2 | length 17.7
  Top Layer w0.381: H4.1 4.2,25.3 11.05,18.45 R38.2
NetH4_2: H4.2 R36.2 | length 15.8
  Top Layer w0.381: R36.2 1.05,27.59 H4.2
NetIC1_1: IC1.1 R28.2 R32.1 | length 40.3
  Top Layer w0.381: v1(33.2,17.9) 36.149,17.9 IC1.1 36.18,14.42 36.6,14 R28.2 R28.2@37.25,14.1 ; v1(42,44) 42.025,44.025 R32.1@43.575,44.025
  Bottom Layer w0.381: v1(33.2,17.9) 31.844,19.256 31.844,33.844 v1(42,44)
NetIC1_2: IC1.2 R28.1 R31.2 | length 3.9
  Top Layer w0.381: IC1.2 38.735,17.916 38.735,14.015 R28.1
NetIC1_3: IC1.3 R33.2 R34.2 | length 3.8
  Top Layer w0.381: R34.2 R33.2 41.28,15.47 41.28,17.911 IC1.3
NetIC1_5: IC1.5 R22.1 R24.2 R25.2 | length 5.5
  Top Layer w0.381: R25.2 R24.2 ; IC1.5 46.34,17.823 47.1,17.063 R24.2 ; R22.1 R24.2
NetIC1_6: IC1.6 IC1.7 R23.1 | length 5.1
  Top Layer w0.381: IC1.6 IC1.7 51.41,17.921 51.41,15.36 R23.1@51.4,15.35
NetIC1_8: IC1.8 R8.2 R10.1 | length 4.4
  Top Layer w0.381: R10.1 50.475,29.825 50.475,28.475 50.45,28.45 50.5,28.4 50.5,26.789 IC1.8
NetIC1_9: IC1.9 R8.1 R9.2 | length 4
  Top Layer w0.381: IC1.9 48.915,25.904 48.915,28.415 48.95,28.45 48.975,28.475 48.975,29.775 R9.2@49,29.8
NetIC1_10: IC1.10 R12.2 R14.2 | length 3.8
  Top Layer w0.381: R12.2 R14.2 ; IC1.10 46.37,25.899 R14.2@46.37,28.37
NetIC1_13: IC1.13 IC1.14 R4.1 | length 5.3
  Top Layer w0.381: R4.1@36.165,28.585 36.165,25.884 IC1.14 IC1.13
NetIC2_1: IC2.1 IC2.2 R6.1 | length 5
  Top Layer w0.381: IC2.2 IC2.1 29.3,25.378 R6.1
NetIC2_3: IC2.3 RV1.1 | length 2.6
  Top Layer w0.381: RV1.1 24.255,27.895 24.255,25.343 IC2.3
NetIC2_5: IC2.5 RV2.1 | length 2.6
  Top Layer w0.381: RV2.1 19.165,27.885 19.165,25.353 IC2.5
NetIC2_6: IC2.6 IC2.7 R19.1 | length 5
  Top Layer w0.381: R19.1 IC2.7 IC2.6
NetIC2_8: IC2.8 R17.1 R18.2 | length 16.2
  Top Layer w0.381: IC2.8 15.073,18.373 17.043,18.373 17.65,17.766 ; R18.2@17.65,14.6 R18.2 17.65,17.766 ; R17.1@22.85,14.6 R17.1 22.85,17.646 22.123,18.373 18.257,18.373 17.65,17.766
NetIC2_10: IC2.10 R15.1 R18.1 R20.2 | length 5.1
  Top Layer w0.381: IC2.10 19.165,17.385 19.165,14.715 R18.1 R20.2 20.275,14.675 20.275,13.475 R15.1
NetIC2_12: IC2.12 R17.2 | length 2.8
  Top Layer w0.381: R17.2@24.25,14.6 24.255,14.605 24.255,17.395 IC2.12
NetIC2_13: IC2.13 IC2.14 R16.1 | length 5.1
  Top Layer w0.381: IC2.13 IC2.14 29.32,17.38 29.32,14.87 R16.1
NetIC3_6: IC3.6 R30.1 | length 2.4
  Top Layer w0.381: R30.1 25.08,44.67 27.43,44.67 IC3.6
NetIC3_8: IC3.8 RV3.1 | length 5.1
  Top Layer w0.381: IC3.8@27.4,39.5 28.8,39.5 30.2,38.1 RV3.1
NetL1_2: L1.2 U1.1 | length 5.8
  Top Layer w0.381: L1.2 26.8,6.4 27.2,6 U1.1
NetQ1_1: Q1.1 R29.2 | length 1.4
  Top Layer w0.381: Q1.1 R29.2
NetQ1_3: Q1.3 R26.1 R27.1 | length 3
  Top Layer w0.381: R27.1 Q1.3
NetR7_2: R7.2 RV1.3 | length 1.5
  Top Layer w0.381: RV1.3 26.95,27.9 R7.2
NetR21_2: R21.2 RV2.3 | length 1.5
  Top Layer w0.381: RV2.3 20.475,27.925 21.875,27.925 R21.2
NetR42_2: R42.2 T1.3 | length 1.7
  Top Layer w0.3: R42.2 40.925,2.225 42.575,2.225 T1.3@42.6,2.2
NetRV4_2: RV4.2 RV5.3 | length 2.3
  Top Layer w0.381: RV5.3 43.625,40.125 45.875,40.125 RV4.2
P\W\M\: H5.2 PWM.1@14.45,44.725 R27.2 | length 13.2
  Top Layer w0.381: H5.2 9.54,45.74 11,47.2 R27.2 PWM.1@14.45,44.725
PWM: PWM.1@23.5,50.7 R29.1 R30.2 | length 7.2
  Top Layer w0.381: R29.1 22.425,44.725 23.525,44.725 R30.2 23.55,50.65 PWM.1@23.5,50.7
S\D\: R16.2 R35.1 | length 1.3
  Top Layer w0.381: R35.1 R16.2
slope_comp1: R6.2 R12.1 | length 18.8
  Top Layer w0.381: R6.2 31.7,29.3 35,32.6 43.2,32.6 45.1,30.7 R12.1@45.1,29.9
slope_comp2: R14.1 R19.2 | length 36
  Top Layer w0.381: R19.2 14.2,29.25 18.406,33.456 43.644,33.456 46.4,30.7 R14.1@46.4,29.9
V_RT/CT: C13.1 IC3.4 R21.1 RT/CT.1 RV3.2 | length 37.3
  Top Layer w0.381: R21.1 22,29.55 21.9,29.65 v1(21.9,32) ; v1(28.7,34.6) 29.443,34.6 29.737,34.306 31.106,34.306 32.5,35.7 RV3.2 32.6,44.38 IC3.4 35.4,49.3 ; RT/CT.1 30.35,50.8 31.879,49.271 35.371,49.271 35.4,49.3 ; C13.1 35.4,49.3
  Bottom Layer w0.381: v1(21.9,32) 24.5,34.6 v1(28.7,34.6)
Volt_Atten_out: R23.2 R31.1 | length 17.9
  Top Layer w0.381: R31.1 37.25,18.25 37.904,18.904 47.096,18.904 47.8,18.2 47.8,17.55 49.95,15.4 R23.2
Vout_LEM: H2.3 pad.4 pad.5 R5.2 R7.1 Vout_LEM.1 | length 44.2
  Top Layer w0.381: R7.1 27.1,29.35 30.05,32.3 pad.4 ; pad.5 34.6,30.4 35.4,31.2 Vout_LEM.1 37.65,31.25 R5.2 ; Vout_LEM.1@39.1,30.5 39.9,29.7 39.9,25.853 45.413,20.34 H2.3
  Bottom Layer w0.381: pad.4 33,32.1 34.6,30.5 pad.5
Vref_LEM: H2.4 R34.1 Vref_LEM.1 | length 26.4
  Top Layer w0.381: Vref_LEM.1 v1(40,12.5) R34.1 ; v1(55.1,17.7) 55.15,17.75 59.75,17.75 H2.4
  Bottom Layer w0.381: v1(40,12.5) 44.345,12.5 46.945,15.1 52.5,15.1 v1(55.1,17.7)
pads on no net: D1.2

## Polygon pours and split planes (outlines as drawn)
5V on Top Layer "Top Layer-5V" (solid, pour order 4): 63.8,6.6 63.8,53.7 0.2,53.7 0.2,0.2 39.953,0.2 39.953,4.598 43.398,4.598 43.953,5.25 43.953,6.757 44.225,7.375 44.5,8 51.453,8.05 52.953,6.55 63.75,6.55
24V_neg on Top Layer "Top Layer-24V_neg" (solid, pour order 0): 63.797,6.525 52.928,6.525 51.453,8 44.5,8 43.95,6.75 43.95,5.35 43.397,4.701 39.95,4.701 39.95,0.2 63.797,0.2
GND on Bottom Layer "Bottom Layer-No Net" (solid, pour order 2): 0.5,85 0.9,84.6 63.4,84.6 63.4,0.9 63.8,0.5 0.3,0.5 0.3,84.8

## Silkscreen, mask and mechanical layers (free items; w line width, h text height)
Top Overlay:
  lines w0.2: 13.4,43 15.1,43
  text "ENEL471" at 56,34 h1.14 r90
  text "Hassan Alhujhoj" at 58,34 h1.14 r90
  text "Abdullah Naeem" at 60,34 h1.14 r90
  text "Daniel Page" at 62,34 h1.14 r90
Bottom Overlay:
  drawing of 4699 lines, arcs and shapes, not listed
  text "ONE MORE QUESTION!" at 46.4,53.1 h1.52 r90
Board Outline:
  the board outline again, w0.381

## Dimensions
65.192,-0.076 to 64.492,53.624 on Mechanical 1
0.041,54 to 64.041,54 on Mechanical 1